# KiCad board q2v2.kicad_pcb (continued)
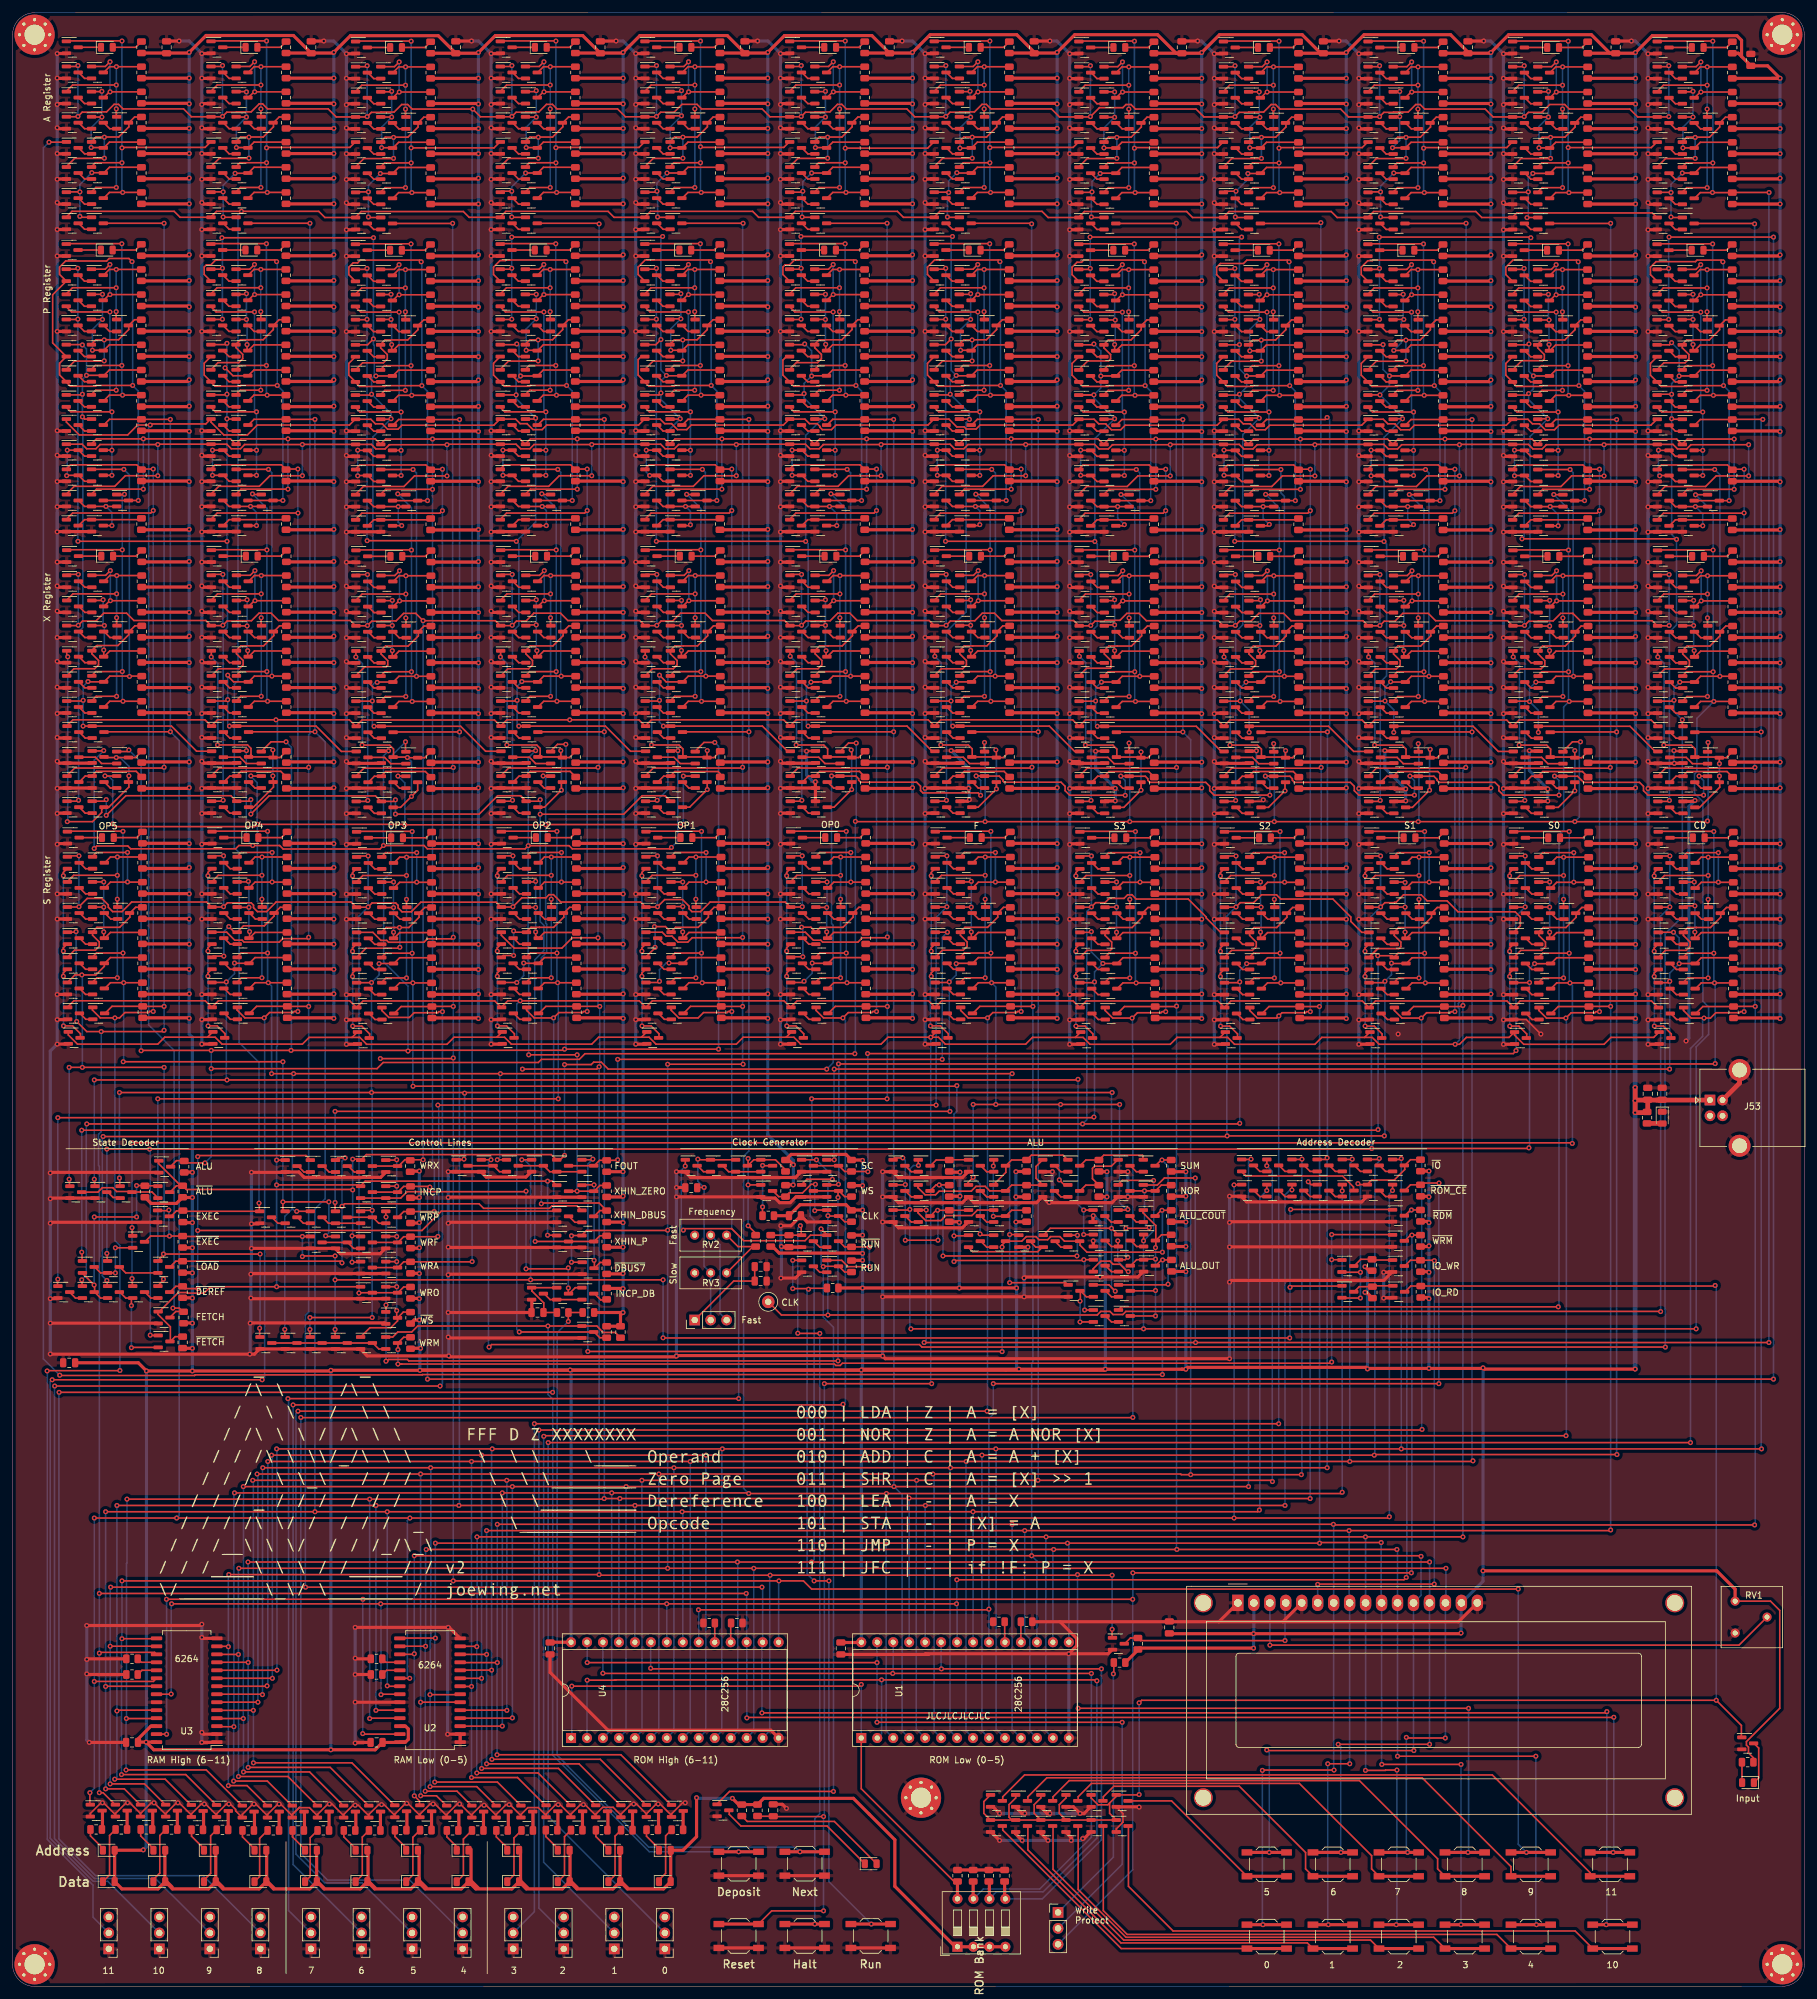
[diagram p0: board, top side]
## Routing (per net, layer and track width the routed paths; a pad name or vN(x,y) marks a point on that pad's centre or on a via; arc(x,y) is an arc through that point) (continued)
  Bottom w0.25: v1(8.08,176.72) v1(8.08,164.72) v1(8.08,160.72) 8.1,160.7 v1(8.1,152.83)
/Bit 11/X Register/X DFF/D: length 51.9
  Top w0.25: Q21.3 18.44,192.54 v1(18.5,192.6) ; v1(8.7,185.33) 12.72,185.33 14.17,186.78 14.17,187.26 Q23.3 ; 14.64,195.53 v1(16.5,195.53) Q24.3 ; R12.2 19.54,195.53 18.5,195.53 ; Q43.1 8.61,211.71 v1(8.77,211.55) ; 14.6,187.63 15.3,187.63 18.5,190.83 18.5,191.63
  Bottom w0.25: 8.77,211.69 v1(8.77,211.55) 8.77,185.4 v1(8.7,185.33) ; v1(18.5,192.6) 18.5,194.13 17.1,195.53 v1(16.5,195.53)
/Bit 11/XOUT: length 55.7
  Top w0.25: 14.55,203.57 15.46,204.48 v1(17.56,204.48) R14.2 ; v1(17.45,228.57) 17.42,228.59 8.63,228.59 ; 12.55,208.52 13.24,209.2 v1(17.45,209.2) ; 17.45,237.33 16.55,237.33 ; v1(17.79,237.42) 17.75,237.38 16.5,237.38
  Bottom w0.25: v1(17.56,204.48) 17.45,204.59 v1(17.45,209.2) v1(17.45,228.57) 17.45,237.08 v1(17.79,237.42)
/Bit 11/~{P}: length 91.3
  Top w0.25: 14.48,256.27 15.39,257.18 R25.2 ; v1(11.1,253.33) 11,253.22 Q58.1 ; Q45.1 11.45,249.38 v1(11.1,249.73) ; 8.6,188.58 10.35,188.58 v1(10.5,188.73) ; v1(11.76,256.33) 14.36,256.33 ; Q68.1 11.05,261.22 v1(11.1,261.17)
  Bottom w0.25: 11.35,261.17 v1(11.1,261.17) 11.76,260.52 v1(11.76,256.33) 11.1,255.68 v1(11.1,249.73) 11.18,249.66 11.18,216.22 10.5,215.54 v1(10.5,188.73)
/Clock/RUN: length 151.5
  Top w0.25: v1(106.7,120.33) 106.94,120.57 114.38,120.57 116.3,118.65 126.05,118.65 126.92,119.53 129.45,119.53 ; 129.51,119.61 v1(128.6,120.53) ; 112,28.98 114.05,31.03 v1(130.57,31.03) ; Q235.1 107.01,130.54 v1(107,130.53) ; 131.45,114.58 132.36,113.66 R101.2 ; v1(128.95,114.53) 129,114.58 Q237.3
  Bottom w0.25: v1(128.6,120.53) 128.6,114.88 v1(128.95,114.53) 128.95,106.5 130.57,104.88 v1(130.57,31.03) ; v1(107,130.53) 106.37,129.9 106.37,120.65 v1(106.7,120.33)
/Decoder/~{STATE_DEREF}: length 102.1
  Top w0.25: 25.05,110.48 25.96,111.39 R71.2 ; v1(29.45,132.03) 29.63,132.2 46.67,132.2 47.4,131.48 ; 86.44,123.35 68.2,123.35 65.12,120.28 v1(29.45,120.28) ; v1(29.5,111.03) 27.41,111.03
  Bottom w0.25: v1(29.45,132.03) v1(29.45,120.28) 29.45,111.08 v1(29.5,111.03)
/Decoder/~{STATE_LOAD}: length 85.5
  Top w0.25: Q204.1 51.71,131.83 v1(52.9,131.83) ; 25.05,114.48 25.96,115.39 R72.2 52.14,115.39 v1(52.4,115.13) ; v1(52.4,124.13) 52.8,124.53 74.2,124.53 74.93,123.8 85.39,123.8 85.79,124.2 89.77,124.2 90.5,123.48
  Bottom w0.25: v1(52.4,115.13) v1(52.4,124.13) 52.4,131.33 v1(52.9,131.83)
/Logic/~{WS}: length 43.6
  Top w0.25: R86.2 62.15,107.29 Q198.3 61.24,105.89 60.15,104.8 56.84,104.8 Q225.1 ; v1(61.1,131.53) 61.05,131.48 Q202.1 ; v1(61.1,111.33) Q186.1 ; v1(61.1,107.53) 61.1,106.51 ; v1(61.1,115.33) Q194.1 ; v1(61.1,119.33) Q200.1 ; v1(61.1,127.33) Q196.1
  Bottom w0.25: v1(61.1,107.53) v1(61.1,111.33) v1(61.1,115.33) v1(61.1,119.33) v1(61.1,127.33) v1(61.1,131.53)
A0: length 439
  Top w0.25: R431.2 268.46,285.41 267.55,284.5 ; 265.55,289.45 266.24,290.13 v1(270.45,290.13) ; v1(145,102.45) v1(188.18,102.45) v1(279.38,102.45) ; 261.63,309.52 270.42,309.52 v1(270.45,309.5) ; 156,123.53 153.47,123.53 152.6,122.65 148.46,122.65 147.66,121.85 145.25,121.85 144.06,123.04 Q245.1 v1(145.32,123.53) ; 179.89,127.5 182.09,127.5 183.21,128.63 v1(188.12,128.63) ; v1(279.4,285.43) 273.57,285.43 ; 144,123.53 144,123.14
  Bottom w0.25: v1(270.45,309.5) v1(270.45,290.13) 270.45,285.48 v1(270.4,285.43) ; v1(279.38,102.45) 279.38,285.4 v1(279.4,285.43) ; v1(188.12,128.63) 188.12,102.5 v1(188.18,102.45) ; v1(145.32,123.53) 145.32,102.78 v1(145,102.45)
ABUS0: length 689.3
  Top w0.25: v1(278.15,199.6) 267.7,199.6 ; R429.2 268.46,249.31 267.55,248.4 ; v1(42,85.53) v1(76.3,85.53) v1(112.9,85.53) v1(156.4,85.53) v1(220.9,85.53) v1(278.2,85.53) ; U3.10 42.03,50.3 v1(42.05,50.33) ; 100.75,28.87 93.48,36.14 v1(76.24,36.14) ; v1(220.9,131.73) 220.75,131.58 219.45,131.58 ; v1(76.2,50.33) 71.22,50.33 ; v1(278.4,249.33) 273.57,249.33
  Bottom w0.25: v1(42,85.53) 42.05,85.48 v1(42.05,50.33) ; v1(112.9,85.53) 112.82,85.44 112.82,40.65 U4.10 ; v1(220.9,131.73) v1(220.9,85.53) ; v1(156.4,85.53) 156.45,85.48 156.45,40.94 U1.10 ; v1(76.24,36.14) 76.24,50.28 v1(76.2,50.33) 76.2,85.43 v1(76.3,85.53) ; v1(278.2,85.53) 278.15,85.58 v1(278.15,199.6) 278.15,249.08 v1(278.4,249.33)
ABUS1: length 658.8
  Top w0.25: v1(255.15,249.3) 250.56,249.3 ; 244.55,248.4 245.46,249.31 R395.2 ; v1(255.15,199.6) 244.7,199.6 ; 92.7,28.82 86.83,34.69 v1(74.61,34.69) ; v1(41.33,49.03) 41.32,49.03 U3.9 ; v1(255.2,84.63) 216.7,84.63 v1(216.6,84.53) v1(154.2,84.53) v1(110.3,84.53) v1(41.2,84.53) ; Q683.1 217.25,131.58 v1(217.4,131.73) ; v1(74.6,49.03) 71.2,49.03
  Bottom w0.25: v1(255.15,249.3) v1(255.15,199.6) 255.15,84.68 v1(255.2,84.63) ; U1.9 154.19,40.65 154.19,84.52 v1(154.2,84.53) ; 74.8,49.23 v1(74.6,49.03) 74.61,49.01 v1(74.61,34.69) ; v1(41.33,49.03) 41.33,84.4 v1(41.2,84.53) ; v1(217.4,131.73) 217.4,131.33 216.69,130.62 216.69,84.62 v1(216.6,84.53) ; U4.9 110.28,40.65 110.28,84.5 v1(110.3,84.53) ; v1(74.6,84.53) 74.6,49.23
ABUS2: length 627.1
  Top w0.25: v1(232.15,199.6) 221.7,199.6 ; v1(232.15,249.3) 227.56,249.3 ; 221.55,248.4 222.46,249.31 R361.2 ; Q684.1 213.05,131.58 v1(213.1,131.63) ; v1(232.3,83.63) 232.2,83.53 v1(212.7,83.53) v1(151.7,83.53) v1(107.8,83.53) v1(73,83.53) v1(40.6,83.53) ; v1(73,47.73) 71.23,47.73 ; 84.74,28.82 80.32,33.24 v1(73,33.24) ; U3.8 40.41,47.76 v1(40.47,47.83)
  Bottom w0.25: v1(232.15,249.3) v1(232.15,199.6) 232.15,83.78 v1(232.3,83.63) ; v1(212.7,83.53) 212.7,130.93 213.1,131.33 v1(213.1,131.63) ; v1(151.7,83.53) 151.65,83.48 151.65,40.65 U1.8 ; v1(73,83.53) v1(73,47.73) v1(73,33.24) ; v1(40.47,47.83) 40.6,47.95 v1(40.6,83.53) ; v1(107.8,83.53) 107.8,40.71 U4.8
ABUS3: length 557.6
  Top w0.25: v1(209.15,199.6) 198.7,199.6 ; 198.55,248.4 199.46,249.31 R327.2 208.78,249.31 v1(209.1,249.63) ; v1(39.8,82.53) v1(66.5,82.53) v1(105.2,82.53) v1(149.2,82.53) v1(209.1,82.53) ; v1(66.4,46.43) 71.14,46.43 ; v1(66.41,31.79) 73.84,31.79 76.86,28.77 ; v1(209.1,131.83) 208.85,131.58 207.45,131.58 ; 32.5,46.49 39.69,46.49 v1(39.75,46.43)
  Bottom w0.25: v1(105.2,82.53) 105.2,82.52 105.2,40.65 U4.7 ; v1(66.41,31.79) 66.41,46.42 v1(66.4,46.43) 66.43,46.45 66.43,55 66.53,55.1 66.53,82.5 v1(66.5,82.53) ; v1(39.75,46.43) 39.75,82.48 v1(39.8,82.53) ; v1(149.2,82.53) 149.11,82.44 149.11,40.65 U1.7 ; v1(209.1,82.53) v1(209.1,131.83) 209.15,131.88 v1(209.15,199.6) 209.5,199.95 209.5,249.23 v1(209.1,249.63)
ABUS4: length 598
  Top w0.25: v1(186.15,249.3) 181.56,249.3 ; v1(186.15,199.6) 175.7,199.6 ; 175.55,248.4 176.46,249.31 R293.2 ; v1(38.9,81.53) v1(64.9,81.53) v1(102.8,81.53) v1(146.4,81.53) 185.8,81.53 185.9,81.43 v1(187.4,81.43) v1(205,81.43) ; v1(64.91,30.34) 67.42,30.34 68.99,28.77 ; v1(64.9,45.23) 71.19,45.23 ; v1(205.1,131.63) 205.05,131.58 203.45,131.58 ; U3.6 39.02,45.22 v1(39.03,45.23)
  Bottom w0.25: v1(146.4,81.53) 146.57,81.35 146.57,40.65 U1.6 ; v1(186.15,249.3) v1(186.15,199.6) 187.4,198.35 v1(187.4,81.43) ; v1(39.03,45.23) 39.03,81.4 v1(38.9,81.53) ; v1(205.1,131.63) 205.1,81.53 v1(205,81.43) ; v1(64.91,30.34) 64.91,45.21 v1(64.9,45.23) v1(64.9,81.53) ; U4.6 102.8,40.79 v1(102.8,81.53)
ABUS5: length 607.5
  Top w0.25: v1(163.15,249.32) 158.56,249.32 ; 152.55,248.42 153.46,249.33 R259.2 ; v1(163.15,199.62) 152.7,199.62 ; v1(200.4,80.33) 200.2,80.53 v1(143.8,80.53) v1(78.6,80.53) v1(38.2,80.53) ; v1(199.5,130.58) 199.51,130.59 Q849.1 ; v1(78.62,43.93) 78.6,43.95 U2.5 ; 60.73,28.82 53.97,35.58 v1(38.31,35.58) ; v1(38.3,43.93) 32.53,43.93
  Bottom w0.25: v1(38.2,80.53) 38.3,80.43 v1(38.3,43.93) 38.31,43.91 v1(38.31,35.58) ; v1(163.15,249.32) v1(163.15,199.62) 163.15,80.58 v1(163.1,80.53) ; v1(78.6,80.53) 78.62,80.5 v1(78.62,43.93) ; v1(200.4,80.33) 200.38,80.35 200.38,129.7 v1(199.5,130.58) ; U4.5 100.12,40.65 100.12,75.64 100.1,75.66 100.1,80.73 ; v1(143.8,80.53) 143.75,80.47 143.75,40.94 U1.5
  vias: v1(100.1,80.53)
ABUS6: length 599.4
  Top w0.25: v1(140.15,199.62) 129.7,199.62 ; R225.2 130.46,249.33 129.55,248.42 ; v1(140.15,249.32) 135.56,249.32 ; Q850.1 196.95,131.58 v1(197,131.63) ; 196.8,79.53 v1(196.6,79.53) v1(140.2,79.53) v1(97.6,79.53) v1(79.5,79.53) v1(36.7,79.53) ; 52.6,28.77 47.24,34.13 v1(36.73,34.13) ; v1(79.5,42.73) 79.46,42.68 U2.4 ; v1(36.7,42.63) 32.56,42.63
  Bottom w0.25: v1(197,131.63) 196.6,131.23 v1(196.6,79.53) ; v1(140.15,249.32) v1(140.15,199.62) 140.15,132.2 140.2,132.15 v1(140.2,79.53) ; U4.4 97.58,40.65 97.58,79.5 v1(97.6,79.53) ; v1(140.2,79.53) 140.15,79.58 ; v1(140.2,79.53) 141.49,78.23 141.49,40.65 U1.4 ; v1(36.7,79.53) 36.73,79.5 36.73,50.65 36.7,50.63 v1(36.7,42.63) 36.73,42.59 v1(36.73,34.13) ; v1(79.5,42.73) v1(79.5,79.53)
ABUS7: length 600.3
  Top w0.25: 106.53,248.42 107.44,249.33 R191.2 ; v1(117.12,199.62) 106.68,199.62 ; v1(117.12,249.32) 112.54,249.32 ; 44.43,28.77 40.52,32.68 v1(35.16,32.68) ; v1(77.9,41.43) 77.88,41.41 71.2,41.41 ; v1(211.5,126.58) 211.51,126.59 Q932.1 ; v1(211.5,78.63) 211.3,78.43 v1(139,78.43) v1(117.1,78.43) 117,78.53 v1(95.3,78.53) v1(77.9,78.53) v1(35.3,78.53) ; v1(35.2,41.33) 32.58,41.33
  Bottom w0.25: U1.3 138.95,40.65 138.95,78.38 v1(139,78.43) ; v1(211.5,78.63) 211.5,126.43 ; v1(35.3,78.53) 35.2,78.43 v1(35.2,41.33) 35.16,41.29 v1(35.16,32.68) ; U4.3 95.3,40.91 v1(95.3,78.53) ; v1(117.12,249.32) v1(117.12,199.62) 117.12,132.92 116.27,132.07 116.27,79.25 v1(117.1,78.43) ; v1(77.9,41.43) v1(77.9,78.53)
ABUS8: length 587.7
  Top w0.25: 83.53,248.42 84.44,249.33 R157.2 ; v1(94.12,199.62) 83.68,199.62 ; v1(94.12,249.32) 89.54,249.32 ; v1(18.05,34.44) 30.81,34.44 36.48,28.77 ; v1(18.1,42.63) 22.84,42.63 ; v1(206.1,128.03) 206.55,127.58 Q933.1 ; v1(206.4,77.63) v1(96.6,77.63) v1(94.1,77.63) 94,77.53 v1(56.8,77.53) v1(18.2,77.53) ; v1(56.8,42.63) 56.86,42.68 U2.25
  Bottom w0.25: v1(56.8,42.63) v1(56.8,77.53) ; U4.25 96.45,77.48 v1(96.6,77.63) ; v1(206.4,77.63) 206.4,127.63 206.1,127.93 v1(206.1,128.03) ; v1(142.6,77.7) 142.62,77.68 U1.25 ; v1(18.05,34.44) 18.05,42.58 v1(18.1,42.63) 18.13,42.65 18.13,67.3 18.2,67.38 v1(18.2,77.53) ; v1(94.12,249.32) v1(94.12,199.62) 94.12,77.65 v1(94.1,77.63)
ABUS9: length 575.5
  Top w0.25: 60.5,248.4 61.41,249.31 R123.2 ; v1(71.1,199.6) 60.65,199.6 ; v1(71.1,249.3) 66.51,249.3 ; v1(202.4,76.53) v1(145.2,76.53) v1(99,76.53) v1(71,76.53) v1(57.8,76.53) v1(16.6,76.53) ; v1(57.8,43.93) 57.83,43.95 U2.24 ; U3.24 16.72,43.95 v1(16.6,43.83) ; v1(16.25,32.97) 24.28,32.97 28.38,28.87 ; v1(203.5,126.73) 203.51,126.74 Q1015.1
  Bottom w0.25: v1(57.8,43.93) v1(57.8,76.53) ; v1(71.1,249.3) v1(71.1,199.6) 71.07,199.57 71.07,76.6 v1(71,76.53) ; v1(145.2,76.53) 145.16,76.49 U1.24 ; v1(202.4,76.53) 202.4,125.93 203.2,126.73 v1(203.5,126.73) ; v1(99,76.53) 98.99,76.52 U4.24 ; v1(16.25,32.97) 16.6,33.32 v1(16.6,43.83) v1(16.6,76.53)
ABUS10: length 563.3
  Top w0.25: 37.5,248.43 38.41,249.34 R36.2 ; v1(48.1,199.63) 37.65,199.63 ; v1(198.32,75.8) 198.05,75.53 v1(152.78,75.53) ; U2.21 59.67,47.76 v1(59.6,47.83) ; v1(199.5,126.63) 199.51,126.64 Q1016.1 ; v1(14.8,47.72) 14.83,47.76 U3.21 ; v1(48.1,249.33) 43.51,249.33 ; 47.83,75.53 48.1,75.8 ; v1(14.8,31.43) 17.78,31.43 20.29,28.92 ; v1(14.8,75.53) v1(59.6,75.53) v1(106.5,75.53) 152.5,75.53 152.78,75.8
  Bottom w0.25: v1(198.32,75.8) 198.4,75.88 198.4,125.53 v1(199.5,126.63) ; v1(48.1,249.33) v1(48.1,199.63) 49.73,198 49.73,125.32 48.1,123.7 v1(48.1,75.53) ; v1(106.5,75.53) 106.61,75.41 U4.21 ; U1.21 152.78,75.8 152.78,75.8 ; v1(59.6,47.83) v1(59.6,75.53) ; v1(14.8,75.53) 14.8,75.52 v1(14.8,47.72) v1(14.8,31.43)
ABUS11: length 593.9
  Top w0.25: U3.20 22.39,48.53 v1(13,48.53) ; 14.5,248.43 15.41,249.34 R2.2 ; U2.20 63.17,49.03 v1(63.17,49.03) ; Q1098.1 219.51,126.64 v1(219.5,126.63) ; v1(25.1,249.33) 20.51,249.33 ; v1(13,74.53) v1(63.2,74.53) v1(194.3,74.53) 218.8,74.53 v1(219,74.73) ; v1(194.3,127.53) 195.4,127.53 ; v1(25.1,199.63) 14.65,199.63 ; 12.3,28.93 v1(12.3,30.83)
  Bottom w0.25: v1(12.3,30.83) 13,31.53 v1(13,48.53) v1(13,74.53) ; v1(219.5,126.63) 219,126.13 v1(219,74.73) ; 26.14,74.84 26.14,74.56 ; v1(25.1,249.33) v1(25.1,199.63) 26.5,198.23 26.5,74.93 v1(26.1,74.53) ; v1(63.2,74.53) 62.8,74.13 62.8,49.4 v1(63.17,49.03) ; v1(194.3,127.53) v1(194.3,74.53)
ALU_OUT: length 396.9
  Top w0.25: v1(7.5,97.25) 7.55,97.2 28.95,97.2 29.05,97.3 65.15,97.3 65.2,97.35 v1(182.9,97.35) ; R119.2 v1(182.94,115.59) 182.76,115.59 181.85,114.68 ; v1(5.8,293.43) 8.45,293.43
  Bottom w0.25: v1(182.94,115.59) 182.9,115.55 v1(182.9,97.35) ; v1(7.5,97.25) 4.9,99.85 4.9,292.53 v1(5.8,293.43)
BANK0: length 129.1
  Top w0.25: v1(173.2,50.53) v1(147.75,50.53) 101.6,50.53 v1(101.5,50.63)
  Top w0.5: 157.8,16.7 157.8,14.05
  Bottom w0.25: v1(147.75,50.53) 147.7,50.58 U1.23 ; v1(101.5,50.63) 101.5,54.73 ; v1(173.2,50.53) 173.2,23.33 163.81,13.93 SW33.5
BANK1: length 148.9
  Top w0.25: v1(172.47,48.63) 172.32,48.78 v1(138.23,48.78) 95.75,48.78 ; v1(91.4,48.73) 96,48.73
  Top w0.5: SW33.6 155.38,16.62
  Bottom w0.25: SW33.6 156.51,15.06 163.93,15.06 172.47,23.6 v1(172.47,48.63) ; v1(138.23,48.78) 138.23,40.22 U1.2 ; v1(91.4,48.73) 91.37,48.7 U4.2
BANK2: length 139.3
  Top w0.25: v1(93.9,49.83) 93.93,49.8 v1(140,49.8) ; v1(140,49.8) v1(171.6,49.8) ; v1(140,49.8) 140.03,49.78
  Top w0.5: 152.8,16.7 152.8,13.97
  Bottom w0.25: v1(171.6,49.8) 171.6,23.73 163.38,15.51 154.42,15.51 SW33.7 ; U1.26 140.08,49.88 v1(140,49.8) ; v1(93.9,49.83) 93.9,54.75
BANK3: length 96.5
  Top w0.25: v1(88.95,47.78) 134.72,47.78 v1(135,48.05) ; 149.75,16.7 135,31.46 U1.1 ; 150.3,16.94 150.3,14.98
  Top w0.5: SW33.8 150.3,16.7
  Bottom w0.25: U1.1 v1(135,48.05) ; v1(88.95,47.78) 88.95,39.64
CDIV: length 218
  Top w0.25: 267.71,158.76 268.62,159.67 v1(270.72,159.67) R456.2 ; 261.79,183.78 270.58,183.78 v1(270.61,183.76) ; v1(270.61,164.39) 266.4,164.39 265.71,163.71 ; v1(131.38,127.63) 131.28,127.53 129.45,127.53 ; v1(131.38,146.78) 270.77,146.78 v1(270.82,146.83)
  Bottom w0.25: v1(270.61,183.76) v1(270.61,164.39) 270.61,159.78 v1(270.72,159.67) 270.82,159.57 v1(270.82,146.83) ; v1(131.38,146.78) 131.43,146.73 131.43,127.68 v1(131.38,127.63)
CLK: length 259.1
  Top w0.25: v1(263.61,171.76) 263.56,171.71 261.71,171.71 ; v1(263.61,179.86) 261.86,179.86 ; Q226.1 127.86,131.53 v1(127.87,131.52) ; 177.06,107.4 262.12,107.4 v1(262.15,107.38) ; 125.45,127.53 126.35,128.43 v1(130.4,128.43) ; v1(129.7,122.63) 129.75,122.58 Q231.3 ; TP1.1 122.3,106.83 v1(129.7,106.83) 172.56,106.83 ; 177.1,107.4 176.6,106.9 175.06,106.9 174.56,107.4 173.1,107.4 172.53,106.83 ; R97.2 132.36,121.66 131.45,122.58
  Bottom w0.25: v1(262.15,107.38) 262.15,167.34 262.08,167.41 262.08,170.23 v1(263.61,171.76) v1(263.61,179.86) ; 129.67,120.85 129.67,121.8 ; 129.67,120.85 129.67,106.85 v1(129.7,106.83) ; 129.67,120.85 129.7,120.88 v1(129.7,122.63) 129.7,127.73 v1(130.4,128.43) 130.4,128.99 127.87,131.52 v1(127.87,131.52)
DBUS0: length 632.3
  Top w0.25: 261.65,192.55 262.93,193.82 277.02,193.82 v1(277.15,193.95) ; 267.75,154.8 268.86,155.91 R430.2 ; v1(277.1,73.43) 210.2,73.43 v1(210.1,73.53) v1(159,73.53) v1(77.1,73.53) ; v1(77.1,51.53) 71.25,51.53 ; 104.75,28.87 96.76,36.86 v1(77.06,36.86) ; v1(277.1,280.43) 277.03,280.5 267.55,280.5 ; v1(198.8,34.37) 198.85,34.43 v1(210.2,34.43) ; v1(277.2,155.93) 273.77,155.93
  Top w0.5: SW31.1 v1(198.9,9.83) SW31.1
  Bottom w0.25: v1(198.8,34.37) 198.8,9.93 v1(198.9,9.83) ; v1(77.1,73.53) v1(77.1,51.53) 77.06,51.49 v1(77.06,36.86) ; v1(210.2,34.43) 210.14,34.49 DS1.7 210.14,73.49 v1(210.1,73.53) ; v1(159,73.53) 158.99,73.51 158.99,40.94 U1.11 ; v1(277.1,73.43) 277.2,73.53 v1(277.2,155.93) 277.15,155.98 v1(277.15,193.95) 277.1,194 v1(277.1,280.43)
DBUS1: length 594.1
  Top w0.25: 238.65,192.55 239.93,193.82 254.02,193.82 v1(254.15,193.95) ; 244.75,154.8 245.86,155.91 R396.2 ; v1(254.2,72.63) 254.1,72.53 v1(212.6,72.53) v1(161,72.53) v1(75.4,72.53) ; v1(212.7,35.43) v1(209.2,35.43) ; 96.7,28.82 90.11,35.41 v1(75.4,35.41) ; v1(75.4,52.83) 71.22,52.83 ; v1(254.2,155.93) 250.77,155.93 ; v1(254.2,280.53) 254.17,280.5 244.55,280.5
  Top w0.5: SW30.1 v1(209.3,9.83) SW30.1
  Bottom w0.25: 212.6,61.11 v1(212.6,72.53) 212.68,72.45 ; v1(212.7,35.43) 212.68,35.45 DS1.8 ; v1(254.2,280.53) 254.2,199.47 254.15,199.42 v1(254.15,193.95) 254.15,155.98 v1(254.2,155.93) v1(254.2,72.63) ; U1.12 161.81,40.65 161.81,55.31 161,56.12 v1(161,72.53) ; v1(75.4,35.41) v1(75.4,52.82) v1(75.4,72.53) ; v1(209.3,9.83) 209.2,9.93 v1(209.2,35.43)
DBUS2: length 564.2
  Top w0.25: v1(231.15,193.95) 231.02,193.82 216.93,193.82 215.65,192.55 ; 221.75,154.8 222.86,155.91 R362.2 230.54,155.91 v1(230.7,156.07) ; v1(73.88,71.53) v1(164.4,71.53) v1(215.2,71.53) v1(230.7,71.53) ; 221.55,280.5 231.17,280.5 v1(231.2,280.53) ; v1(220.2,34.43) 218.4,34.43 218.35,34.37 v1(215.2,34.37) ; 71.2,54.11 73.8,54.11 v1(73.84,54.07) ; v1(73.84,33.96) 83.6,33.96 88.74,28.82
  Top w0.5: SW29.1 v1(220.1,9.83) SW29.1
  Bottom w0.25: U1.13 164.35,40.65 164.35,71.48 v1(164.4,71.53) ; v1(73.84,33.96) v1(73.84,54.07) 73.9,54.13 73.9,71.53 ; v1(231.2,280.53) 231.2,194 v1(231.15,193.95) 230.7,193.5 v1(230.7,156.07) v1(230.7,71.53) ; v1(220.1,9.83) 220.2,9.93 v1(220.2,34.43) ; v1(215.2,71.53) 215.22,71.51 DS1.9 215.22,34.39 v1(215.2,34.37)
  Bottom w0.5: 73.9,71.53 v1(73.88,71.53)
DBUS3: length 550.5
  Top w0.25: v1(208.15,193.95) 208.02,193.82 193.93,193.82 192.65,192.55 ; 198.75,154.8 199.86,155.91 R328.2 v1(207.88,155.91) ; v1(208.1,280.63) 207.97,280.5 198.55,280.5 ; v1(67.25,70.53) v1(167.8,70.53) 208.1,70.53 208.2,70.63 v1(217.7,70.63) ; 80.86,28.77 77.12,32.51 v1(67.15,32.51) ; v1(217.8,35.33) v1(230.4,35.33) ; v1(67.25,55.43) 61.64,55.43
  Top w0.5: SW28.1 v1(230.4,9.83) SW28.1
  Bottom w0.25: 217.76,70.57 v1(217.7,70.63) 217.7,61.09 ; DS1.10 217.76,35.37 v1(217.8,35.33) ; v1(208.1,280.63) 208.1,194 v1(208.15,193.95) 208.15,156.18 v1(207.88,155.91) 207.9,155.89 v1(207.9,70.53) ; v1(167.8,70.53) 168.02,70.31 U1.15 ; v1(230.4,35.33) v1(230.4,9.83) ; v1(67.15,32.51) 67.15,55.32 v1(67.25,55.43) v1(67.25,70.53)
DBUS4: length 554.8
  Top w0.25: 169.65,192.55 170.93,193.82 185.02,193.82 v1(185.15,193.95) ; 175.75,154.8 176.86,155.91 R294.2 185.08,155.91 v1(185.15,155.98) ; v1(220.2,69.53) v1(185.2,69.53) v1(165.6,69.53) v1(65.8,69.53) ; 175.55,280.5 185.07,280.5 v1(185.1,280.53) ; v1(65.64,31.06) 70.7,31.06 72.99,28.77 ; v1(220.3,36.63) v1(242.3,36.63) ; v1(65.7,54.13) 61.61,54.13
  Top w0.5: SW27.1 v1(242.4,9.83) SW27.1
  Bottom w0.25: v1(242.3,36.63) 242.3,9.93 v1(242.4,9.83) ; v1(185.2,69.53) 185.15,69.58 v1(185.15,155.98) v1(185.15,193.95) 185.1,194 v1(185.1,280.53) ; U1.16 165.48,69.41 v1(165.6,69.53) ; v1(65.64,31.06) 65.64,54.06 v1(65.7,54.13) 65.7,69.43 v1(65.8,69.53) ; v1(220.2,69.53) 220.3,69.43 DS1.11 v1(220.3,36.63)
DBUS5: length 542.1
  Top w0.25: v1(162.15,193.97) 162.02,193.85 147.93,193.85 146.65,192.57 ; R260.2 153.86,155.93 152.75,154.82 ; v1(162.3,155.93) 158.76,155.93 ; v1(63.9,52.93) 63.81,52.84 U2.17 ; v1(63.9,68.53) v1(162.1,68.53) 223.94,68.53 v1(224.04,68.43) ; v1(162.1,280.43) 162,280.52 152.55,280.52 ; v1(222.9,37.53) 199.6,37.53 v1(199.5,37.63) ; v1(63.9,30.33) 64.73,29.5 64.73,28.82
  Top w0.5: SW26.1 v1(199.9,21.33) SW26.1
  Bottom w0.25: v1(199.5,37.63) 199.9,37.23 v1(199.9,21.33) ; v1(224.04,68.43) 224.04,62.22 DS1.12 222.84,37.59 v1(222.9,37.53) ; v1(162.1,68.53) 162.1,99.15 162.3,99.35 v1(162.3,155.93) 162.15,156.08 v1(162.15,193.97) 162.1,194.02 v1(162.1,280.43) ; v1(162.1,68.53) 162.94,67.69 U1.17 ; v1(162.1,68.53) 162.15,68.58 ; v1(63.9,30.33) v1(63.9,52.93) v1(63.9,68.53)
DBUS6: length 620.5
  Top w0.25: R226.2 130.86,155.93 129.75,154.82 ; v1(139.15,193.97) 139.02,193.85 124.93,193.85 123.65,192.57 ; v1(139.15,155.92) 135.76,155.92 ; v1(37.48,51.55) 37.45,51.57 U3.11 ; v1(37.48,34.85) 50.52,34.85 56.6,28.77 ; Q615.1 126.11,167.73 127.38,166.46 128.56,166.46 128.86,166.16 134.47,166.16 135.17,166.86 139.03,166.86 v1(139.15,166.98) ; 129.55,280.52 139.09,280.52 v1(139.1,280.53) ; v1(127.1,141.23) v1(139.1,141.23) ; v1(225.4,38.53) v1(210.87,38.53) ; v1(225.4,67.53) v1(127.1,67.53) v1(115.3,67.53) v1(37.45,67.53)
  Top w0.5: SW25.1 v1(211.3,21.33) SW25.1
  Bottom w0.25: DS1.13 225.38,38.55 v1(225.4,38.53) 225.5,38.53 ; v1(37.48,34.85) v1(37.48,51.55) 37.48,67.5 v1(37.45,67.53) ; v1(210.87,38.53) 211.26,38.13 211.26,21.36 v1(211.3,21.33) ; U4.11 115.36,40.65 115.36,67.47 v1(115.3,67.53) ; v1(139.1,141.23) 139.15,141.28 v1(139.15,155.92) v1(139.15,166.98) v1(139.15,193.97) 139.1,194.02 v1(139.1,280.53) ; v1(225.4,67.53) 225.4,61.05 ; 127.15,141.28 127.15,131.68 126.87,131.4 126.87,122.55 127.5,121.93 127.5,67.93 v1(127.1,67.53)
DBUS7: length 628
  Top w0.25: 106.72,154.82 107.84,155.93 R192.2 ; v1(116.12,155.92) 112.74,155.92 ; 100.63,192.57 101.9,193.85 116,193.85 v1(116.12,193.97) ; 90.5,119.48 91.3,120.28 104.15,120.28 v1(104.2,120.33) ; Q532.1 103.34,167.73 103.96,167.11 104.89,167.11 105.84,166.16 107.41,166.16 108.11,166.86 116.08,166.86 v1(116.12,166.9) ; Q191.1 88.95,119.48 v1(88.9,119.43) ; v1(35.92,52.83) 32.5,52.83 ; 48.43,28.77 43.8,33.4 v1(35.93,33.4) ; v1(228,66.53) v1(117.9,66.53) v1(104.2,66.53) v1(36,66.53) ; v1(88.9,115.23) Q197.1 ; v1(104.2,146.73) v1(116.2,146.73) ; v1(227.9,39.53) 221.8,39.53 v1(221.7,39.63) ; v1(116.2,280.53) 106.53,280.53
  Top w0.5: SW15.1 v1(221.9,21.33) SW15.1
  Bottom w0.25: v1(221.9,21.33) 221.7,21.53 v1(221.7,39.63) ; v1(104.2,146.73) v1(104.2,120.33) v1(104.2,66.53) ; DS1.14 227.92,39.55 v1(227.9,39.53) ; v1(88.9,119.43) v1(88.9,115.23) ; v1(117.9,66.53) 117.9,66.52 117.9,40.65 U4.12 ; v1(116.2,146.73) 116.12,146.8 v1(116.12,155.92) v1(116.12,166.9) v1(116.12,193.97) 116.12,280.45 v1(116.2,280.53) ; v1(228,66.53) 228,61.11 ; v1(35.93,33.4) 35.93,52.82 v1(35.92,52.83) 35.92,66.45 v1(36,66.53)
DBUS8: length 613.5
  Top w0.25: 83.72,154.82 84.84,155.93 R158.2 93.39,155.93 v1(93.4,155.93) ; 77.63,192.57 78.9,193.85 93,193.85 v1(93.12,193.97) ; v1(169.4,65.53) 169.4,65.43 ; 169.4,65.43 v1(120.5,65.43) 93.4,65.43 v1(93.3,65.53) v1(34.4,65.53) ; 169.4,65.43 v1(174.9,65.43) ; v1(93.12,166.85) 89.03,166.85 87.38,165.21 79.79,165.21 77.75,167.25 Q449.1 ; v1(34.33,54.05) 34.27,54.11 32.5,54.11 ; v1(93.3,146.33) 92.93,145.95 v1(81.1,145.95) ; v1(34.33,31.95) 37.3,31.95 40.48,28.77 ; 174.9,55.48 v1(174.9,56.83) ; v1(93.3,280.43) 93.21,280.52 83.53,280.52 ; v1(169.5,44.25) v1(231.6,44.25)
  Top w0.5: SW14.1 v1(231.5,21.33) SW14.1
  Bottom w0.25: v1(169.5,44.25) 169.4,44.35 v1(169.4,65.53) ; v1(34.33,31.95) v1(34.33,54.05) 34.33,65.45 v1(34.4,65.53) ; v1(174.9,56.83) v1(174.9,65.43) ; v1(231.6,44.25) 231.6,21.43 v1(231.5,21.33) ; v1(120.5,65.43) 120.44,65.36 120.44,40.65 U4.13 ; v1(93.3,65.53) v1(93.3,146.33) 93.4,146.43 v1(93.4,155.93) 93.12,156.2 v1(93.12,166.85) v1(93.12,193.97) 93.3,194.15 v1(93.3,280.43) ; 81.12,145.98 v1(81.1,145.95)
DBUS9: length 614.1
  Top w0.25: 60.7,154.8 61.81,155.91 R124.2 ; 54.6,192.55 55.88,193.82 69.97,193.82 v1(70.1,193.95) ; 60.5,280.5 69.97,280.5 v1(70,280.53) ; v1(17.4,64.53) v1(121.9,64.53) 125.8,64.53 127.1,63.23 v1(239.5,63.23) ; v1(17.4,55.33) 22.84,55.33 ; v1(70.1,155.93) 66.72,155.93 ; Q366.1 57.31,167.71 58.59,166.43 59.51,166.43 59.81,166.13 65.42,166.13 65.97,166.68 69.86,166.68 v1(70.1,166.93) ; v1(58.5,147.63) 70,147.63 v1(70.1,147.73) ; 32.38,28.87 27.55,33.7 v1(17.33,33.7)
  Top w0.5: SW11.1 v1(240.8,21.33) SW11.1
  Bottom w0.25: v1(17.33,33.7) 17.33,55.25 v1(17.4,55.33) v1(17.4,64.53) ; U4.15 121.85,64.48 v1(121.9,64.53) ; v1(70.1,64.53) v1(70.1,147.73) v1(70.1,155.93) v1(70.1,166.93) v1(70.1,193.95) 70,194.05 v1(70,280.53) ; v1(239.5,63.23) 239.5,22.63 v1(240.8,21.33) ; 58.44,147.69 v1(58.5,147.63)
DBUS10: length 616.7
  Top w0.25: 37.7,154.83 38.81,155.94 R37.2 ; v1(47.1,155.93) 43.71,155.93 ; 31.6,192.58 32.88,193.85 46.97,193.85 v1(47.1,193.98) ; v1(15.52,32.23) 20.98,32.23 24.29,28.92 ; 253.8,43.73 v1(253.6,43.73) 253.4,43.53 v1(119.2,43.53) ; v1(47.1,166.93) 46.89,166.71 42.97,166.71 42.42,166.16 36.81,166.16 36.51,166.46 35.33,166.46 34.06,167.74 Q167.1 ; v1(119.2,63.53) v1(46.6,63.53) v1(15.6,63.53) ; v1(15.52,54.13) 22.89,54.13 ; 37.5,280.53 v1(47.3,280.53)
  Top w0.5: SW10.1 v1(253.5,9.83) SW10.1
  Bottom w0.25: v1(15.6,63.53) 15.52,63.45 v1(15.52,54.13) v1(15.52,32.23) ; v1(47.3,280.53) 47.3,199.35 47.1,199.15 v1(47.1,193.98) v1(47.1,166.93) 47.1,107.3 46.57,106.77 46.57,63.55 v1(46.6,63.53) ; v1(253.6,43.73) 253.6,9.93 v1(253.5,9.83) ; v1(119.2,63.53) 119.31,63.41 U4.16 ; v1(119.2,43.53) 119.2,54.65
DBUS11: length 616.7
  Top w0.25: Q84.1 10.01,167.74 v1(10.1,167.83) ; v1(10.2,153.53) 11.8,151.93 v1(14.1,151.93) 23.9,151.93 v1(24.1,152.13) ; v1(116.8,42.73) 116.88,42.8 254.68,42.8 v1(254.7,42.83) ; 16.3,28.93 14.4,30.83 v1(13.8,30.83) ; U3.17 22.59,53.15 13.93,53.15 v1(13.8,53.03) ; v1(24.1,155.93) 20.71,155.93 ; v1(24.1,193.98) 23.97,193.85 9.88,193.85 8.6,192.58 ; v1(116.7,62.53) v1(13.8,62.53) ; R3.2 15.81,155.94 14.7,154.83 ; v1(24.1,280.53) 14.5,280.53
  Top w0.5: SW1.1 v1(254.6,21.33) SW1.1
  Bottom w0.25: v1(10.2,153.53) 10.1,153.63 v1(10.1,167.83) ; v1(14.1,151.93) 14.1,136 13.67,135.57 13.67,130.61 13.8,130.49 v1(13.8,62.53) v1(13.8,53.03) v1(13.8,30.83) ; v1(254.6,21.33) 254.7,21.43 v1(254.7,42.83) ; U4.17 116.77,62.45 v1(116.7,62.53) ; v1(24.1,280.53) v1(24.1,155.93) v1(24.1,152.13) ; v1(116.8,42.73) 116.8,54.74
